# Altium PCB greenhouse_MA_3PCB.PcbDoc
Units mm, origin at the board's own origin, x right, y up, seen from the top; angles counter-clockwise.
Board outline 150 x 100 mm, 2 copper layers (Top Layer, Bottom Layer); 65 components, 51 nets, 205 pads, 151 vias.
Unrouted connection lines stored in the file: 4.
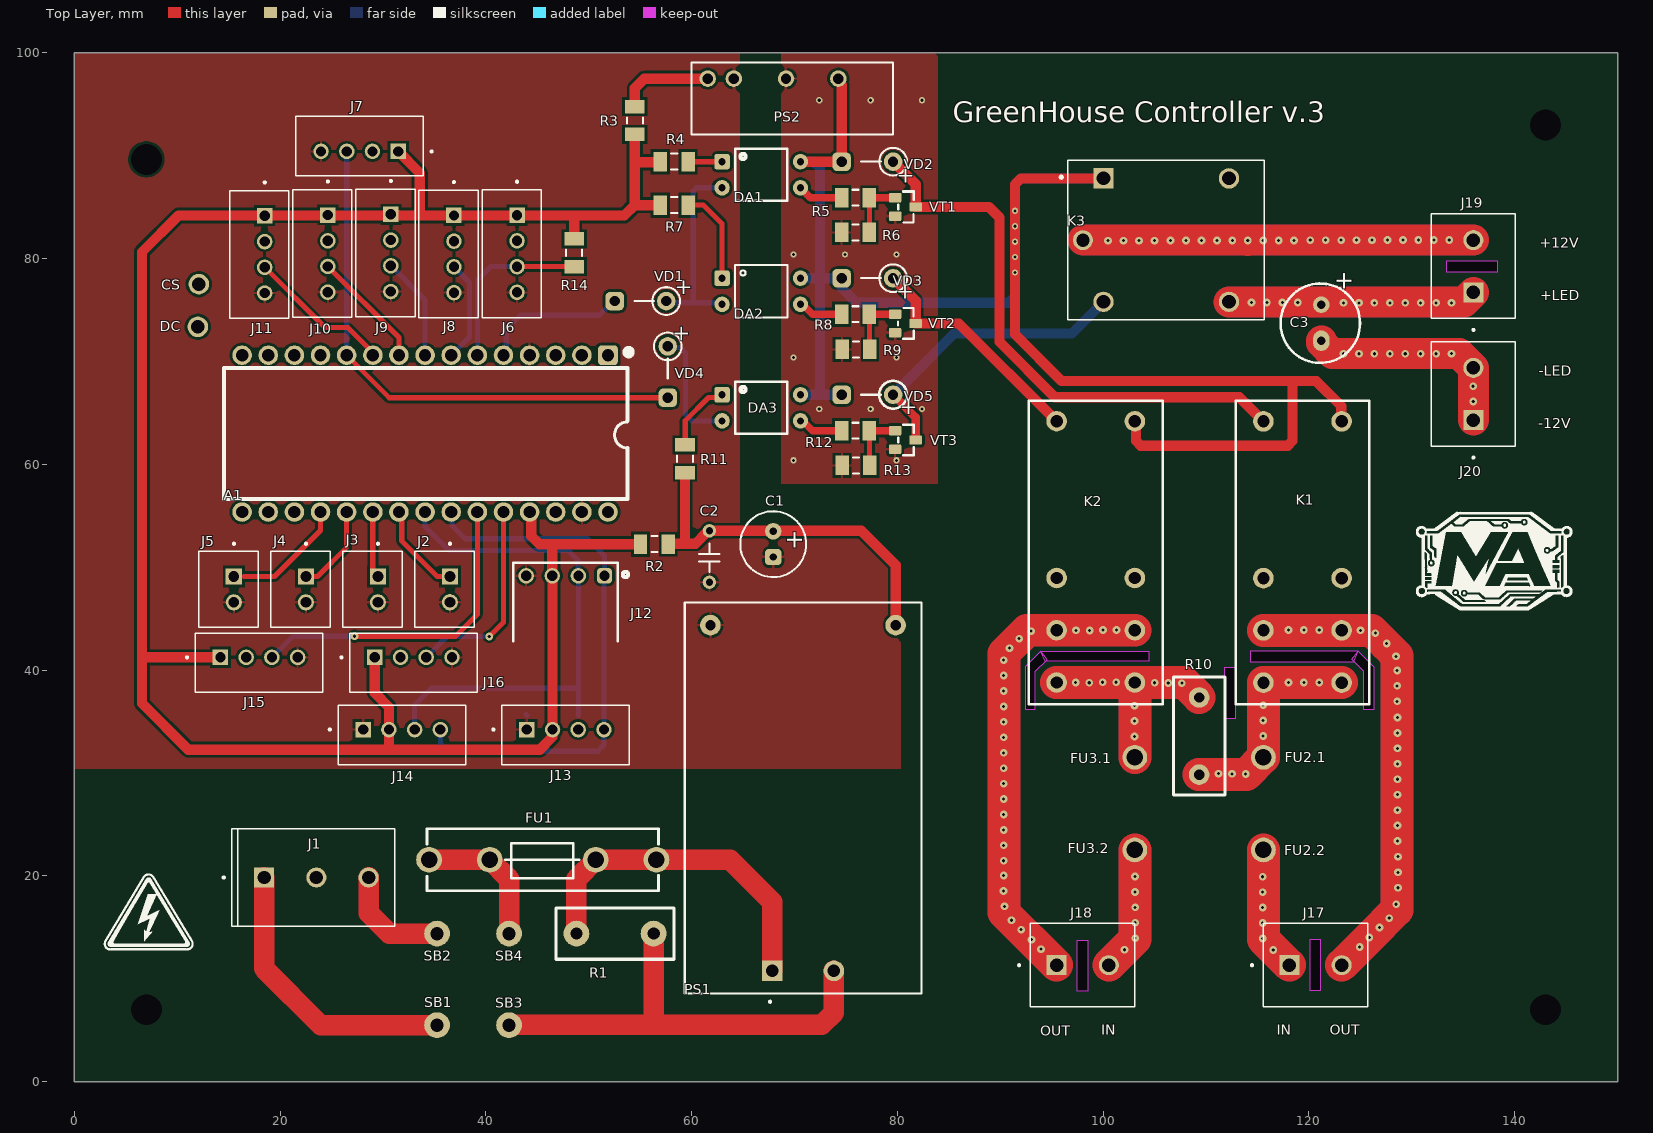
[diagram p0: Top Layer view]
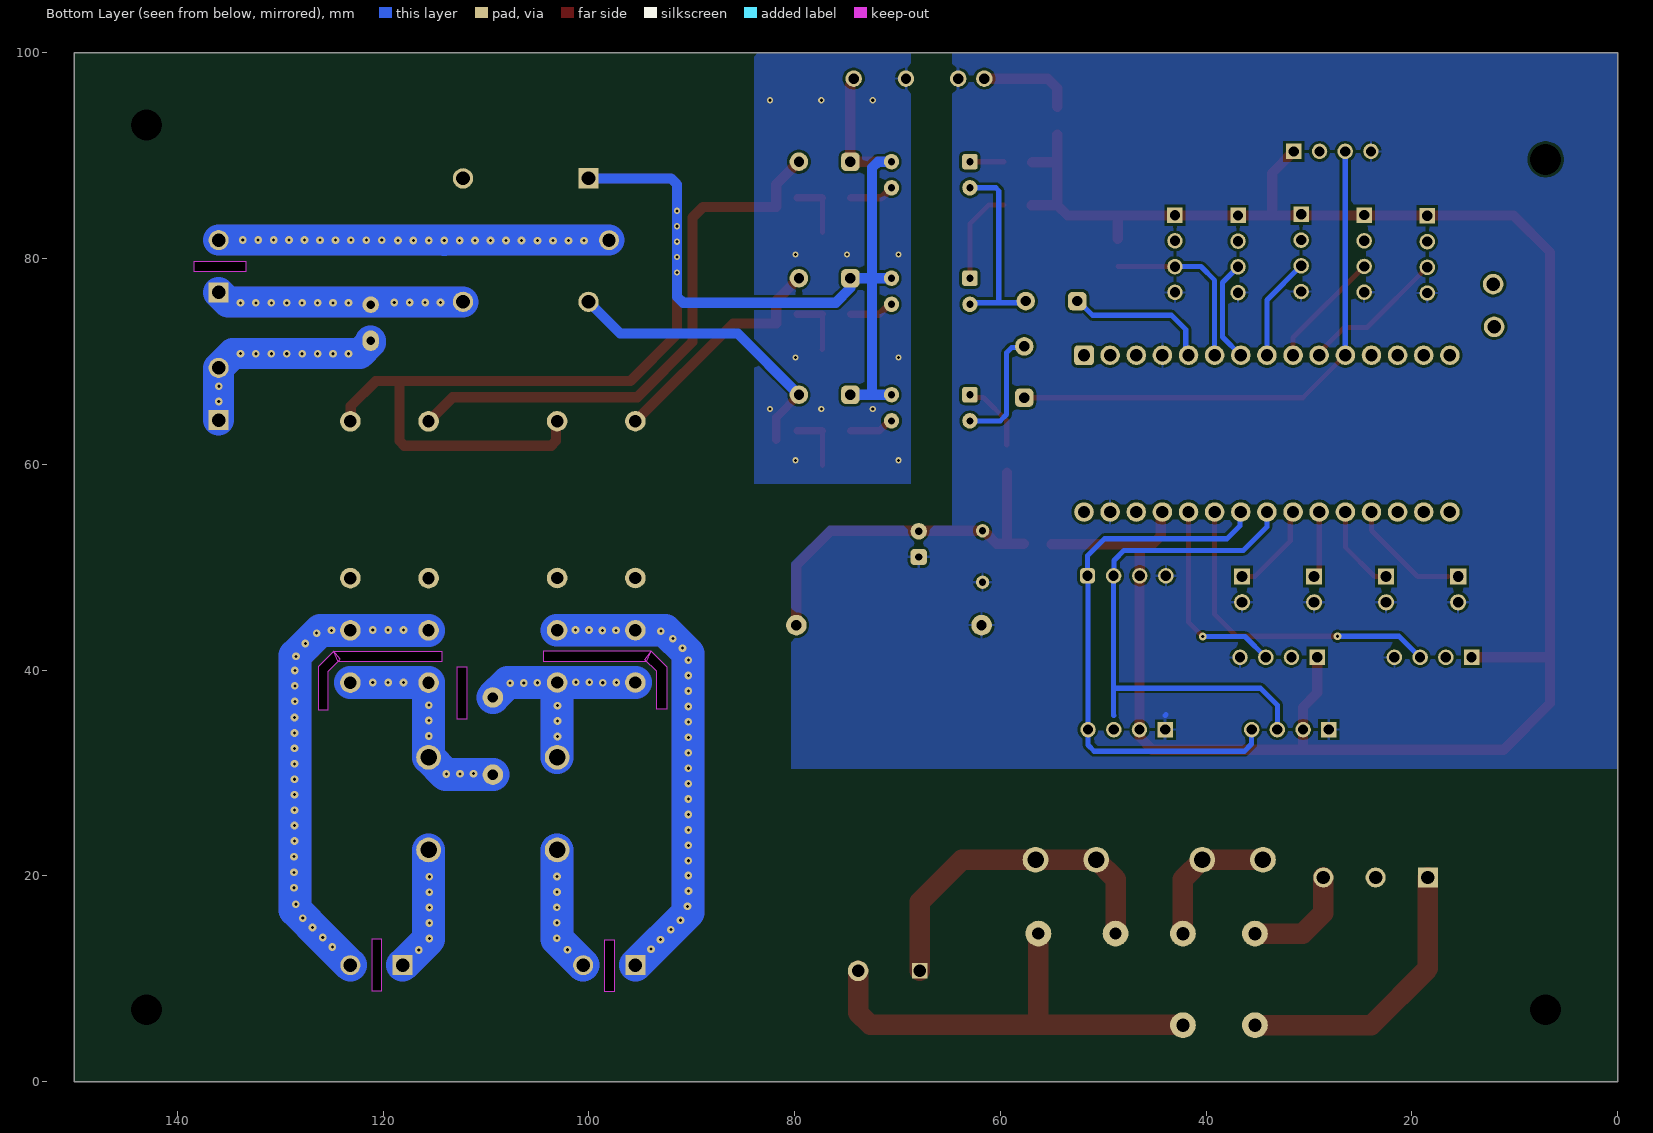
[diagram p1: Bottom Layer view, seen from below]
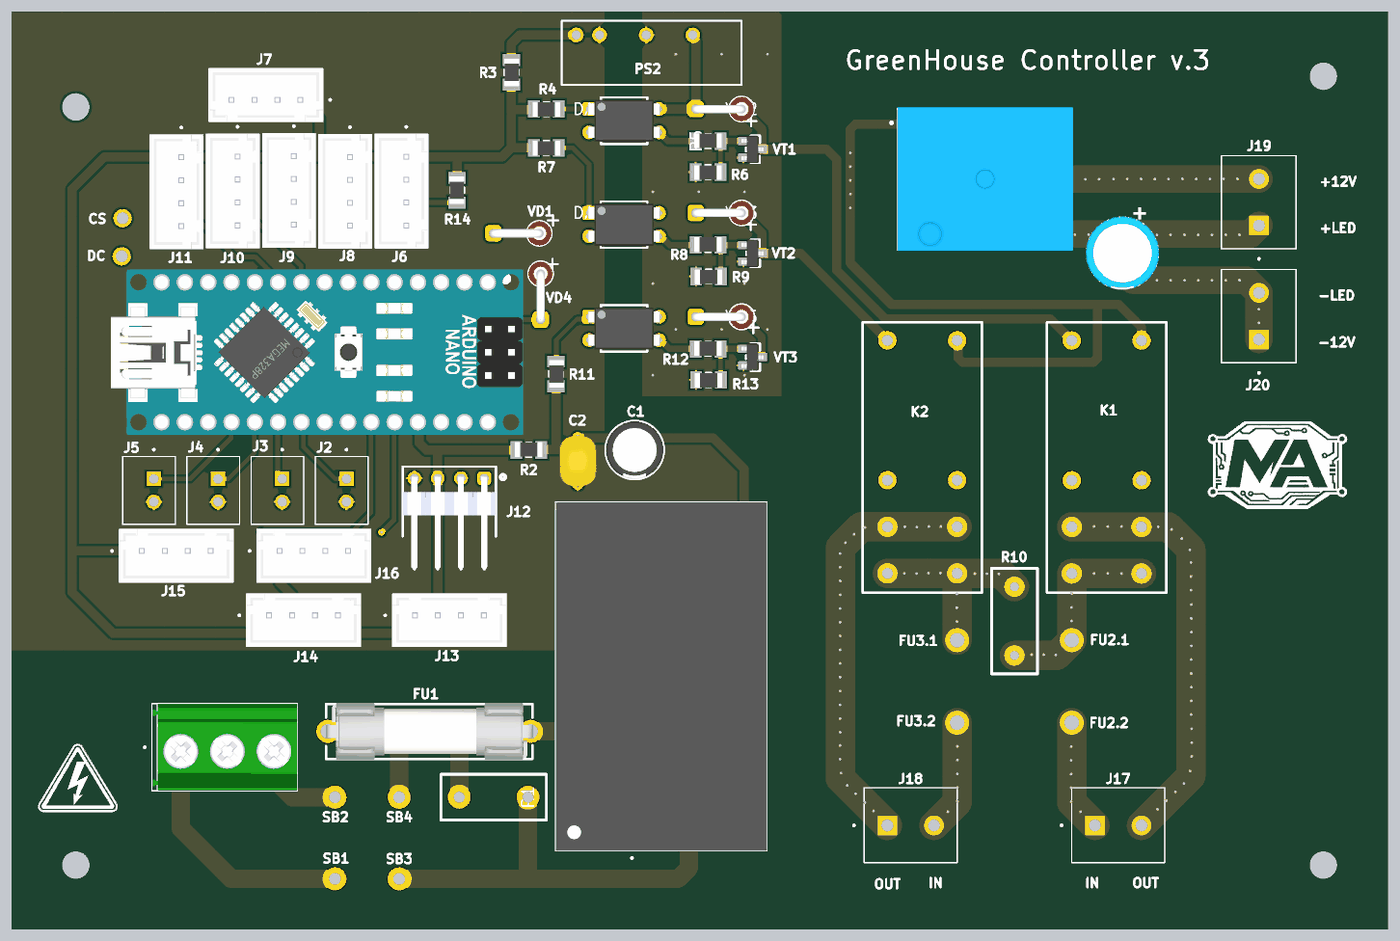
[diagram p2: 3D render of the assembled board from above, using the file's embedded part models]

## Layer stack, top to bottom
Top Solder: solder mask 0.0102, Solder Resist, Dk 3.5
Top Layer: signal copper 0.0356
Dielectric 1: dielectric 0.32, FR-4, Dk 4.8
Bottom Layer: signal copper 0.0356
Bottom Solder: solder mask 0.0102, Solder Resist, Dk 3.5

## Board outline
0,0 0,100 150,100 150,0
cut-out: 93.95,41.85 104.45,41.85 104.45,40.85 94.375,40.85
cut-out: 93.95,41.85 92.906,40.806 92.419,40.319 92.419,36.181 93.419,36.181 93.419,39.894 94.559,41.034
cut-out: 111.825,35.275 111.825,40.275 112.825,40.275 112.825,35.275
cut-out: 98.5,13.775 98.5,8.775 97.5,8.775 97.5,13.775
cut-out: 124.781,41.844 114.281,41.844 114.281,40.844 124.356,40.844
cut-out: 124.781,41.844 125.825,40.8 126.312,40.313 126.312,36.175 125.313,36.175 125.313,39.888 124.15,41.05
cut-out: 121.1,13.825 121.1,8.85 120.1,8.85 120.1,13.825
cut-out: 133.35,79.75 133.35,78.75 138.35,78.75 138.35,79.75

## Design rules (kind name [scope] priority, off if disabled: settings)
Clearance [All] p1: gap=0.254 ignorepadtopadclearanceinfootprint=FALSE
HoleSize [All] p1: absolutevalues=TRUE maxlimit=4 minlimit=0.025 maxpercent=80.000 minpercent=20.000
PolygonConnect GND_ISO [InNet('GND_ISO')] p1: thpad.connectstyle=Relief thpad.reliefconductorwidth=0.254 thpad.reliefentries=4 thpad.polygonreliefangle="90 Angle" thpad.airgapwidth=0.254 smdpad.connectstyle=Relief smdpad.reliefconductorwidth=0.254 smdpad.reliefentries=4 smdpad.polygonreliefangle="90 Angle" smdpad.airgapwidth=0.254 via.connectstyle=Direct via.reliefconductorwidth=0.254 via.reliefentries=4 via.polygonreliefangle="90 Angle" via.airgapwidth=0.254
PolygonConnect GND [InNet('GND')] p2: thpad.connectstyle=Relief thpad.reliefconductorwidth=0.254 thpad.reliefentries=4 thpad.polygonreliefangle="90 Angle" thpad.airgapwidth=0.254 smdpad.connectstyle=Relief smdpad.reliefconductorwidth=0.254 smdpad.reliefentries=4 smdpad.polygonreliefangle="90 Angle" smdpad.airgapwidth=0.254 via.connectstyle=Direct via.reliefconductorwidth=0.254 via.reliefentries=4 via.polygonreliefangle="90 Angle" via.airgapwidth=0.254
RoutingVias [All] p1: holewidth=0.711 width=1.27 viastyle="Through Hole" minholewidth=0.711 minwidth=1.27 maxholewidth=0.711 maxwidth=1.27
SolderMaskExpansion [All] p1: expansion=0.102 istentingtop=FALSE
SupplyNets "Schematic Supply Nets" [InNet('GND')] p1: voltage=0.000
Width [All] p1: maxlimit=10 minlimit=0.5 preferedwidth=0.5
29 further rules are at their usual default settings.

## Components (designator, comment, footprint, x,y, rotation, side; value= is the part's Value field where it differs from the comment)
A1 "Arduino Nano" "Arduino nano" 51.867,70.612 r270 top
C1 "100uF 25V Electrolytic Capacitor THT Radial" "capr- 2.5D6.5H12" 67.925,51 r270 top
C2 "100nF 50V X7R THT 5mm" "C__s 5-d 5.5-t4" 61.725,53.55 r270 top
C3 "680uF 25V Electrolytic Capacitor THT Radial" "capr- 3.5D8H20" 121.2,72.025 r270 top
CS "Отпайка" "Отпайка 1.2"#1 12.1,77.525 r90 top
DA1 "Optocoupler EL817 DIP-4" DIP-4 62.955,89.425 r0 top
DA2 "Optocoupler EL817 DIP-4" DIP-4 62.955,78.1 r0 top
DA3 "Optocoupler EL817 DIP-4" DIP-4 62.955,66.775 r0 top
DC "Отпайка" "Отпайка 1.2"#1 12,73.375 r90 top
FU1 "1A slow 5x20 mm" FU_FC-001-N(DH) 34.475,21.575 r0 top
FU2.1 "Отпайка" "Отпайка 1.5" 115.575,31.525 r90 top
FU2.2 "Отпайка" "Отпайка 1.5" 115.575,22.525 r90 top
FU3.1 "Отпайка" "Отпайка 1.5" 103.075,31.525 r90 top
FU3.2 "Отпайка" "Отпайка 1.5" 103.075,22.525 r90 top
J1 "MKDSN2,5/3-5.08" PHOENIX_MKDSN2,5/3-5.08 23.52,19.85 r0 top
J2 "B2B-XH-A" JST_B2B-XH-A 35.975,47.852 r90 top
J3 "B2B-XH-A" JST_B2B-XH-A 28.975,47.85 r90 top
J4 "B2B-XH-A" JST_B2B-XH-A 21.975,47.85 r90 top
J5 "B2B-XH-A" JST_B2B-XH-A 14.975,47.85 r90 top
J6 "JST B4B-XH-A Connector 1x4 2.5mm THT Vertical" JST_B4B-XH-A 42.502,80.477 r90 top
J7 "JST B4B-XH-A Connector 1x4 2.5mm THT Vertical" JST_B4B-XH-A 27.725,90.95 r0 top
J8 "JST B4B-XH-A Connector 1x4 2.5mm THT Vertical" JST_B4B-XH-A 36.371,80.449 r90 top
J9 "JST B4B-XH-A Connector 1x4 2.5mm THT Vertical" JST_B4B-XH-A 30.24,80.554 r90 top
J10 "JST B4B-XH-A Connector 1x4 2.5mm THT Vertical" JST_B4B-XH-A 24.109,80.49 r90 top
J11 "JST B4B-XH-A Connector 1x4 2.5mm THT Vertical" JST_B4B-XH-A 17.978,80.41 r90 top
J12 "Pin Header 1x4 2.54mm Right Angle THT Male" "KLS1-207-1*04 R" 51.53,49.175 r180 top
J13 "JST B4B-XH-A Connector 1x4 2.5mm THT Vertical" JST_B4B-XH-A 47.725,33.7 r180 top
J14 "JST B4B-XH-A Connector 1x4 2.5mm THT Vertical" JST_B4B-XH-A 31.825,33.7 r180 top
J15 "B4B-XH-A" JST_B4B-XH-A 17.95,40.725 r180 top
J16 "B4B-XH-A" JST_B4B-XH-A 32.95,40.725 r180 top
J17 "Phoenix Contact MKDSN 2,5/2-5.08 Terminal Block 1x2 5.08mm THT" PHOENIX_1729128 115.555,7.275 r0 top
J18 "Phoenix Contact MKDSN 2,5/2-5.08 Terminal Block 1x2 5.08mm THT" PHOENIX_1729128 92.93,7.275 r0 top
J19 "Phoenix Contact MKDSN 2,5/2-5.08 Terminal Block 1x2 5.08mm THT" PHOENIX_1729128 140.029,74.184 r90 top
J20 "Phoenix Contact MKDSN 2,5/2-5.08 Terminal Block 1x2 5.08mm THT" PHOENIX_1729128 140.033,61.766 r90 top
K1 "Relay SMIH-05VDC-SL-C 5V 16A THT" SMIH-5VDC-SL-C 119.375,51.49 r270 top
K2 "Relay SMIH-05VDC-SL-C 5V 16A THT" SMIH-5VDC-SL-C 99.275,51.5 r270 top
K3 "Relay SRD-05VDC-SL-C 5V 10A THT" RELAY_SRD-05VDC-SL-C 106.125,81.8 r0 top
PS1 "HLK-5M05" CONV_HLK-5M05 70.825,27.575 r90 top
PS2 "B0505S-3WR2" B0505S-2W 61.555,97.5 r0 top
R1 "10K471" "var 10D (Т-5мм)"#1 56.3,14.4 r270 top
R2 "0R 1% 1206" "Res_1206 3D" 55.075,52.25 r90 top
R3 "0R 1% 1206" "Res_1206 3D" 54.475,94.725 r0 top
R4 "330R 1% 1206" "Res_1206 3D" 59.6,89.425 r270 top
R5 "150R 1% 1206" "Res_1206 3D" 74.625,85.925 r90 top
R6 "47k 1% 1206" "Res_1206 3D" 77.225,82.55 r270 top
R7 "330R 1% 1206" "Res_1206 3D" 59.6,85.2 r270 top
R8 "150R 1% 1206" "Res_1206 3D" 74.625,74.6 r90 top
R9 "47k 1% 1206" "Res_1206 3D" 77.275,71.175 r270 top
R10 "10K471" "var 10D (Т-5мм)"#2 109.325,37.35 r0 top
R11 "330R 1% 1206" "Res_1206 3D" 59.35,61.85 r0 top
R12 "150R 1% 1206" "Res_1206 3D" 74.625,63.275 r90 top
R13 "47k 1% 1206" "Res_1206 3D" 77.275,59.9 r270 top
R14 "3.3K 1% 1206" "Res_1206 3D" 48.575,79.275 r180 top
SB1 "Отпайка" "Отпайка 1.2"#2 35.25,5.5 r0 top
SB2 "Отпайка" "Отпайка 1.2"#2 35.25,14.4 r90 top
SB3 "Отпайка" "Отпайка 1.2"#2 42.25,5.5 r90 top
SB4 "Отпайка" "Отпайка 1.2"#2 42.25,14.4 r90 top
VD1 "1N4007 1A 1000V Rectifier Diode DO-41" "DO-41  (5.0)" 57.525,75.875 r180 top
VD2 "UF4007 1A 1000V Fast Diode DO-41" "DO-41  (5.0)" 79.575,89.425 r180 top
VD3 "UF4007 1A 1000V Fast Diode DO-41" "DO-41  (5.0)" 79.575,78.1 r180 top
VD4 "1N4007 1A 1000V Rectifier Diode DO-41" "DO-41  (5.0)" 57.675,71.475 r270 top
VD5 "UF4007 1A 1000V Fast Diode DO-41" "DO-41  (5.0)" 79.575,66.775 r180 top
VT1 "IRLML6344" SOT-23-3 79.775,85.925 r270 top
VT2 "IRLML6344" SOT-23-3 79.775,74.6 r270 top
VT3 "IRLML6344" SOT-23-3 79.775,63.275 r270 top

## Footprints (in the part's own frame and the unit in brackets; to place one, negate y for a bottom-side part, rotate by r counter-clockwise, add the part's x,y. Pads: shape width x height; smd on the part's side, far side on the other; paste and mask are expansions set on the pad)
"Arduino nano" [mm]
  rrect30% 1.9x1.9 hole 1.2: 1(0,0)
  round 1.9 hole 1.2: 2(0,-2.54) 3(0,-5.08) 4(0,-7.62) 5(0,-10.16) 6(0,-12.7) 7(0,-15.24) 8(0,-17.78) 9(0,-20.32) 10(0,-22.86) 11(0,-25.4) 12(0,-27.94) 13(0,-30.48) 14(0,-33.02) 15(0,-35.56) 16(15.24,-35.56) 17(15.24,-33.02) 18(15.24,-30.48) 19(15.24,-27.94) 20(15.24,-25.4) 21(15.24,-22.86) 22(15.24,-20.32) 23(15.24,-17.78) 24(15.24,-15.24) 25(15.24,-12.7) 26(15.24,-10.16) 27(15.24,-7.62) 28(15.24,-5.08) 29(15.24,-2.54) 30(15.24,0)
  silkscreen extent -0.6,-37.34 13.97,2.3, body extent -1.3,-41.07 16.7,3.87, height 12.5
B0505S-2W [mm] "Изолированный DC-DC преобразователь, вход 5В, выход 5В / 400мА / 2Вт"
  round 1.6 hole 1: 1(0,0) 2(2.54,0) 4(7.62,0) 6(12.7,0)
  silkscreen extent -1.58,-5.45 18.02,1.55
"C__s 5-d 5.5-t4" [mm] "Конденсатор керамический дисковый"
  round 1.3 hole 0.7 mask+0.1: 1(0,0) 2(5,0)
  silkscreen extent 1.25,-1 4,1, body extent -0.25,-2 5.25,2, height 8.45
"capr- 2.5D6.5H12" [mm] "Конденсатор электролитический алюминиевый"
  rrect50% 1.6x1.6 hole 0.7: 1(0,0)
  round 1.6 hole 0.7: 2(-2.5,0)
  silkscreen extent -4.45,-3.2 1.95,3.2, body extent -4.4,-3.15 1.9,3.15, height 11.5
"capr- 3.5D8H20" [mm] "Конденсатор электролитический алюминиевый"
  oval 2x1.6 hole 0.8: 1(0,0)
  round 1.6 hole 0.8: 2(-3.5,0)
  silkscreen extent -5.56,-3.96 2.16,3.76, body extent -5.7,-4.1 2.32,3.9, height 20.5
CONV_HLK-5M05 [mm]
  rect 2x2 / inner round 2 / far side rect 1.5x1.5 hole 1.2: 1(-16.8,3)
  round 2 hole 1.2: 2(-16.8,-3)
  round 2 hole 1: 3(16.8,9) 4(16.8,-9)
  silkscreen extent -19.9,-11.5 19,11.5, body extent -19,-11.5 19,11.5, height 23
DIP-4 [mm]
  rrect30% 1.5x1.5 hole 0.7: 1(0,0)
  round 1.5 hole 0.7: 2(0,-2.54) 3(7.62,-2.54) 4(7.62,0)
  silkscreen extent 1.27,-3.81 6.35,1.27, body extent -0.13,-3.57 7.75,1.03, height 4
"DO-41  (5.0)" [mm]
  rrect50% 1.8x1.8 hole 1: 1(5,0)
  round 1.8 hole 1: 2(0,0)
  silkscreen extent -1.35,-1.35 3.1,1.35, body extent -1.35,-1.35 5.45,1.35, height 8.2
FU_FC-001-N(DH) [mm]
  round 2.5 hole 1.6: 1(0,0) 1(5.9,0) 2(16.2,0) 2(22.1,0)
  silkscreen extent -0.2,-3 22.3,3, body extent -0.15,-3.1 22.35,3.1, height 10.1
JST_B2B-XH-A [mm]
  rect 1.575x1.575 / inner round 1.575 / far side rect 1.575x1.575 hole 1.05: 1(1.25,-0.525)
  round 1.575 hole 1.05: 2(-1.25,-0.525)
  silkscreen extent -3.7,-2.88 4.54,2.88
JST_B4B-XH-A [mm]
  rect 1.508x1.508 / inner round 1.508 / far side rect 1.508x1.508 hole 1: 1(3.75,-0.525)
  round 1.508 hole 1: 2(1.25,-0.525) 3(-1.25,-0.525) 4(-3.75,-0.525)
  silkscreen extent -6.2,-2.88 7.1,2.88, body extent -6.2,-2.88 6.2,2.88, height 7
"KLS1-207-1*04 R" [mm]
  rrect50% 1.5x1.5 hole 1: 1(0,0)
  round 1.5 hole 1: 2(2.54,0) 3(5.08,0) 4(7.62,0)
  silkscreen extent -2.29,-1.27 8.89,6.35, body extent -1.27,-0.32 8.89,10.04, height 2.5
PHOENIX_1729128 [mm]
  rect 1.95x1.95 / inner round 1.95 / far side rect 1.95x1.95 hole 1.3: 1(2.54,4.05)
  round 1.95 hole 1.3: 2(7.62,4.05)
  silkscreen extent -1.2,0 10.16,8.15
PHOENIX_MKDSN2,5/3-5.08 [mm]
  rect 1.95x1.95 / inner round 1.95 / far side rect 1.95x1.95 hole 1.3: 1(-5.08,0)
  round 1.95 hole 1.3: 2(0,0) 3(5.08,0)
  silkscreen extent -9.1,-4.75 7.62,4.75, body extent -8.19,-4.75 7.62,4.75, height 15.15
RELAY_SRD-05VDC-SL-C [mm]
  rect 1.98x1.98 / inner round 1.98 / far side rect 1.98x1.98 hole 1.32: A1(-6.1,6)
  round 1.98 hole 1.32: A2(-6.1,-6) NC(6.1,6) NO(6.1,-6)
  round 1.935 hole 1.29: COM(-8.1,0)
  silkscreen extent -10.3,-7.75 9.55,7.75, body extent -9.6,-7.8 9.6,7.8, height 15.8
"Res_1206 3D" [mm] "Резистор ЧИП (SMD)"
  rect 1.9x1.3 smd: 1(0,0.05) 2(0,-2.65)
  silkscreen extent -0.77,-1.6 0.78,-1, body extent -0.75,-2.8 0.85,0.2, height 0.63
SMIH-5VDC-SL-C [mm]
  round 2 hole 1.2: 1(-12.7,-3.8) 2(2.54,-3.8) 3(7.62,-3.8) 4(12.7,-3.8) 5(12.7,3.8) 6(7.62,3.8) 7(2.54,3.8) 8(-12.7,3.8)
  silkscreen extent -14.7,-6.5 14.8,6.5
SOT-23-3 [mm] "TO-236AB    SuperSOT-3   SOT-346   KT-46   SC-59   SMT3"
  rrect20% 0.9x1.2 smd: 1(0,0) 2(0.9,2) 3(1.8,0)
  silkscreen extent -0.6,0.3 2.4,1.8, body extent -0.6,-0.2 2.4,2.2, height 1
"var 10D (Т-5мм)"#1 [mm] "Варистор дисковый"
  round 2.5 hole 1.2: 1(0,0) 2(0,-7.5)
  silkscreen extent -2.5,-9.5 2.5,2, body extent -2.5,-9.75 2.5,2.25, height 17.5
"var 10D (Т-5мм)"#2 [mm] "Варистор дисковый"
  round 2 hole 1: 1(0,0) 2(0,-7.5)
  silkscreen extent -2.5,-9.5 2.5,2, body extent -2.5,-9.75 2.5,2.25, height 17.5
"Отпайка 1.2"#1 [mm] "D=1.2mm"
  round 2 hole 1.3: 1(0,0)
"Отпайка 1.2"#2 [mm] "D=1.2mm"
  round 2.5 hole 1.3: 1(0,0)
"Отпайка 1.5" [mm] "D=1.5mm"
  round 2.4 hole 1.6: 1(0,0)

## Part data
C1 C3: library part "C Al R", "Конденсатор алюминиевый радиальный"
C2: library part C_Disk, "Конденсатор керамика"
CS DC FU2.1 FU2.2 FU3.1 FU3.2 SB1 SB2 SB3 SB4: "Отпайка для проводника"
DA1 DA2 DA3: library part EL817, "Оптрон выход - транзистор"
FU1: library part "FU + Clip", "Предохранитель плавкий с держателем."
J1: "HEADER, PCB, SCREW, 5.08MM, 3WAY; Connector Type: PCB; Series: MKDSN 2, 5; Connector Mounting: PCB; Pitch Spacing: 5....", Package=None, Availability="Not in stock", Check_prices=https://www.snapeda.com/parts/MKDSN2,5/3-5.08/Phoenix+Contact/view-part/?ref=eda, MF="Phoenix Contact", MP=MKDSN2,5/3-5.08, Price=None, SnapEDA_Link=https://www.snapeda.com/parts/MKDSN2,5/3-5.08/Phoenix+Contact/view-part/?ref=snap
J2 J3 J4 J5: Package=None, Availability=Unavailable, MF="{'manufacturer': u'JST Sales America Inc.'}", MP=B2B-XH-A, Price=None
J6 J7 J8 J9 J10 J11 J13 J14: library part B4B-XH-A, "Connector Header Through Hole 4 position 0.098 (2.50mm)", Package=None, Check_prices=https://www.snapeda.com/parts/B4B-XH-A/JST/view-part/?ref=eda, MF="JST Sales", MP=B4B-XH-A, SnapEDA_Link=https://www.snapeda.com/parts/B4B-XH-A/JST/view-part/?ref=snap
J12: library part "Штырь 1* 4  (1)", "Разъём штыревой на плату 2.54мм 1х4 pin"
J15 J16: "Connector Header Through Hole 4 position 0.098 (2.50mm)", Package=None, Check_prices=https://www.snapeda.com/parts/B4B-XH-A/JST/view-part/?ref=eda, MF="JST Sales", MP=B4B-XH-A, SnapEDA_Link=https://www.snapeda.com/parts/B4B-XH-A/JST/view-part/?ref=snap
J17 J18 J19 J20: library part 1729128, "PCB Terminal Screw 5.08mm 16AWG 400V 13.5A 2 Position COMBICON MKDSN Series", Package=None, Check_prices=https://www.snapeda.com/parts/1729128/Phoenix+Contact/view-part/?ref=eda, MF="Phoenix Contact", MP=1729128, SnapEDA_Link=https://www.snapeda.com/parts/1729128/Phoenix+Contact/view-part/?ref=snap
K1 K2: library part SMIH-05VDC-SL-C, JLCPCB Part Class="Extended Part", Manufacturer=松乐, Add into BOM=yes, Convert to PCB=yes, Datasheet=https://item.szlcsc.com/datasheet/SMIH-05VDC-SL-C/18835689.html, Device=SMIH-05VDC-SL-C, LCSC Part Name=SMIH-05VDC-SL-C, Manufacturer Part=SMIH-05VDC-SL-C, Supplier=LCSC, Supplier Footprint=插件,29.5x13mm, Supplier Part=C17701758, Symbol=SMIH-05VDC-SL-C
K3: library part SRD-05VDC-SL-C, "5V Trigger Relay Module For Arduino And Raspberry Pi 5V Trigger Relay Module For Arduino And Raspberry Pi", Package="NON STANDARD-5 Songle Relay", Availability="Not in stock", Check_prices=https://www.snapeda.com/parts/SRD-05VDC-SL-C/Songle+Relay/view-part/?ref=eda, MF="Songle Relay", MP=SRD-05VDC-SL-C, Price=None, SnapEDA_Link=https://www.snapeda.com/parts/SRD-05VDC-SL-C/Songle+Relay/view-part/?ref=snap
PS1: "AC DC 220V to 5V 5W 5Watt Isolated Switching Step-Down Power Supply Module Converter", Package=Package, Availability="Not in stock", Check_prices=https://www.snapeda.com/parts/HLK-5M05/Hi-link/view-part/?ref=eda, MF=Hi-link, MP=HLK-5M05, Price=None, SnapEDA_Link=https://www.snapeda.com/parts/HLK-5M05/Hi-link/view-part/?ref=snap
PS2: library part B0505S-2W, "Изолированный DC-DC преобразователь, вход 5В, выход 5В 3Вт"
R1 R10: library part RU_1, "Варистор"
R2 R3 R4 R5 R6 R7 R8 R9 R11 R12 R13 R14: library part R, "Резисторы плёночные (SMD; МЛТ; С2-33Н; MP9xxx)"
VD1 VD2 VD3 VD4 VD5: library part "Диод.  x1  (2)", "Диод  одиночный"
VT1 VT2 VT3: library part "VT MOSFET-N", "Транзистор MOSFET N-канал"

## Free pads (board coordinates)
  round 0 hole 3 unplated: 2(7,7) 3(7,89.65) 3(143,7) 3(143,93)

## Via types
v1: diameter 0.75, hole 0.3, Top Layer to Bottom Layer, tented both sides, 131 vias
v2: diameter 0.6, hole 0.3, Top Layer to Bottom Layer, tented both sides, 18 vias
v3: diameter 0.75, hole 0.3, Top Layer to Bottom Layer, 2 vias

## Nets (pads, with @x,y where several pads share a name; then routed paths per layer and width w, separated by ;. In a path a pad name is that pad's centre, name@x,y a point inside that pad or via, vN(x,y) a via of type N, cw(c..) or ccw(c..) an arc to the next point about the centre after c; other vN are vias at no path point)
A6: A1.25 J15.3 | length 31.6
  Top Layer w0.5: v3(27.225,43.3) 37.05,43.3 39.167,45.417 A1.25@39.167,55.368
  Bottom Layer w0.5: J15.3 21.25,43.3 v3(27.225,43.3)
A7: A1.26 J16.3 | length 19.6
  Top Layer w0.5: v3(40.325,43.275) 41.707,44.657 A1.26
  Bottom Layer w0.5: J16.3 36.225,43.275 v3(40.325,43.275)
button1: A1.22 J2.1 | length 9
  Top Layer w0.5: A1.22 31.814,55.104 31.814,52.561 35.273,49.102 J2.1
button2: A1.21 J3.1 | length 6.5
  Top Layer w0.5: A1.21 29.007,49.593 J3.1
button3: A1.20 J4.1 | length 8.6
  Top Layer w0.5: J4.1 23.625,49.1 26.467,51.942 A1.20
button4: A1.19 J5.1 | length 11.1
  Top Layer w0.5: 16.5,49.1 19.45,49.1 23.927,53.577 A1.19
D4: A1.7 J8.3 | length 9.9
  Bottom Layer w0.5: A1.7 38.4,72.386 38.4,77.695 J8.3
D5: A1.8 J9.3 | length 10.1
  Bottom Layer w0.5: J9.3 34.087,75.982 A1.8
D6: A1.9 J10.3 | length 11.5
  Top Layer w0.5: J10.3 31.547,72.327 A1.9
D7: A1.10 J11.3 | length 14.2
  Top Layer w0.5: J11.3 24.362,73.3 26.575,73.3 29.007,70.868 A1.10
D9: A1.12 DC.1
D10: A1.13 CS.1
GND: A1.4 A1.29 C1.1 C2.2 J2.2 J3.2 J4.2 J5.2 J6.4 J7.4 J8.4 J9.4 J10.4 J11.4 J12.4 J13.1 J14.1 J15.4 J16.4 PS1.3 PS2.2 | length 0.1
  Bottom Layer w0.5: 43.894,35.681 43.975,35.6
GND_ISO: PS2.4 R6.2 R9.2 R13.2 VT1.3 VT2.3 VT3.3
  other v2: 69.9,60.4 79.9,60.4 72.4,65.4 77.4,65.4 82.4,65.4 69.9,70.4 79.9,70.4 69.9,80.4 74.9,80.4 79.9,80.4 72.4,95.4 77.4,95.4 82.4,95.4
NetC1_2: 
NetC3_1: C3.1 J20.1 J20.2 | length 42.1
  Top Layer w3: C3.1 121.2,71.825 122.258,70.767 124.858,70.767 126.358,70.767 127.858,70.767 129.358,70.767 130.858,70.767 132.358,70.767 v1(133.851,70.767) 134.603,70.767 J20.2 135.983,66.108 J20.1
  Bottom Layer w3: C3.1 121.2,71.825 122.258,70.767 124.858,70.767 126.358,70.767 127.858,70.767 129.358,70.767 130.858,70.767 132.358,70.767 v1(133.851,70.767) 134.603,70.767 J20.2 135.983,66.108 J20.1
  other v1: 135.966,66.108 135.958,67.601 123.358,70.759 124.858,70.759 126.358,70.759 127.858,70.759 129.358,70.759 130.858,70.759 132.358,70.759
NetC3_2: C3.2 J19.1 K3.NO | length 48.3
  Top Layer w3: K3.NO 114.408,75.8 115.908,75.8 117.408,75.8 118.908,75.8 121.175,75.8 121.25,75.8 123.358,75.8 124.858,75.8 126.358,75.8 127.858,75.8 129.358,75.8 130.858,75.8 132.358,75.8 135.056,75.8 J19.1@135.983,76.727
  Bottom Layer w3: K3.NO 114.408,75.8 115.908,75.8 117.408,75.8 118.908,75.8 121.175,75.8 121.25,75.8 123.358,75.8 124.858,75.8 126.358,75.8 127.858,75.8 129.358,75.8 130.858,75.8 132.358,75.8 135.056,75.8 J19.1@135.983,76.727
  other v1: 123.358,75.709 124.858,75.709 126.358,75.709 127.858,75.709 129.358,75.709 130.858,75.709 132.358,75.709 133.849,75.71 114.408,75.734 115.908,75.734 117.408,75.734 118.908,75.734
NetDA1_1: DA1.1 R4.1 | length 3.3
  Top Layer w0.5: R4.1 DA1.1
NetDA1_2: DA1.2 DA2.2 VD1.2 | length 19.4
  Bottom Layer w0.5: VD1.2 57.683,75.718 60.15,75.718 ; DA2.2 62.798,75.718 60.15,75.718 ; DA1.2 60.443,86.885 60.15,86.592 60.15,75.718
NetDA1_3: DA1.3 R5.1 | length 4.4
  Top Layer w0.7: DA1.3 71.535,85.925 R5.1
NetDA2_1: DA2.1 R7.1 | length 9.3
  Top Layer w0.5: R7.1 61.15,85.2 62.955,83.395 DA2.1
NetDA2_3: DA2.3 R8.1 | length 4.4
  Top Layer w0.7: DA2.3 70.776,75.56 71.736,74.6 R8.1
NetDA3_1: DA3.1 R11.1 | length 7
  Top Layer w0.5: R11.1@59.375,61.9 59.375,64.25 61.638,66.513 62.693,66.513 DA3.1
NetDA3_2: DA3.2 VD4.2 | length 11.8
  Bottom Layer w0.5: VD4.2 57.792,71.358 58.892,71.358 59.4,70.85 59.4,64.845 60.01,64.235 DA3.2
NetDA3_3: DA3.3 R12.1 | length 4.4
  Top Layer w0.7: DA3.3 70.776,64.235 71.736,63.275 R12.1
NetFU1_1: FU1.1 SB4.1 | length 13.9
  Top Layer w2: FU1.1@34.475,21.575 40.375,21.575 42.25,19.7 SB4.1
NetFU1_2: FU1.2 PS1.1 R1.2 | length 33.5
  Top Layer w2: R1.2 48.8,19.7 50.675,21.575 56.575,21.575 63.725,21.575 67.825,17.475 PS1.1
NetFU2.1_1: FU2.1.1 K1.4 K1.5 R10.2 | length 43.6
  Top Layer w3.2: R10.2 113.9,29.85 FU2.1.1 K1.4 K1.5
  Bottom Layer w3.2: R10.2 113.9,29.85 FU2.1.1 K1.4 K1.5
  other v1: 113.846,29.907 111.204,29.943 112.525,29.925 115.55,33.6 115.55,35.105 115.55,36.605 118,38.8 119.5,38.8 121,38.8
NetFU2.2_1: FU2.2.1 J17.1 | length 24.5
  Top Layer w3.2: FU2.2.1 115.575,13.845 J17.1
  Bottom Layer w3.2: FU2.2.1 115.575,13.845 J17.1
  other v1: 116.525,12.8 115.496,13.927 115.496,15.427 115.496,16.927 115.5,18.425 115.5,19.925
NetFU3.1_1: FU3.1.1 K2.4 K2.5 R10.1 | length 43.4
  Top Layer w3.2: K2.4 v1(97.325,38.8) 99.949,38.8 K2.5@103.063,38.8 ; FU3.1.1 103.075,33.55 103.075,35.055 103.075,36.555 K2.5 107.875,38.8 R10.1
  Bottom Layer w3.2: K2.4 v1(97.325,38.8) K2.5 ; FU3.1.1 K2.5 ; R10.1 107.875,38.8 K2.5
  other v1: 103.05,33.55 103.05,35.055 103.05,36.555 106.321,38.757 107.642,38.74 98.646,38.782 105,38.775 99.949,38.828 101.254,38.832
NetFU3.2_1: FU3.2.1 J18.2 | length 24.5
  Top Layer w3.2: J18.2 103.075,13.85 FU3.2.1
  Bottom Layer w3.2: J18.2 103.075,13.85 FU3.2.1
  other v1: 102.075,12.825 103.104,13.952 103.104,15.452 103.104,16.952 103.1,18.45 103.1,19.95
NetJ1_1: J1.1 SB1.1 | length 27.9
  Top Layer w2: J1.1 18.44,11.01 23.95,5.5 SB1.1
NetJ1_3: J1.3 SB2.1 | length 10.9
  Top Layer w2: J1.3 28.6,16.4 30.6,14.4 SB2.1
NetJ17_2: J17.2 K1.3 K1.6 | length 92.3
  Top Layer w3.2: K1.3 118,43.87 119.5,43.87 121,43.87 K1.6 126.08,43.87 127.45,42.5 128.55,41.4 128.55,39.85 128.55,36.85 128.55,33.9 128.55,32.4 128.55,30.9 128.55,29.4 128.55,27.775 128.55,24.9 128.55,23.275 128.55,20.35 128.55,18.85 128.55,16.7 v1(125.862,14.012) 124.936,13.086 J17.2
  Bottom Layer w3.2: K1.3 118,43.87 119.5,43.87 121,43.87 K1.6 126.08,43.87 v1@128.325,41.625 ; J17.2 124.936,13.086 v1(125.862,14.012) 128.55,16.7 128.55,18.85 128.55,20.35 128.55,23.275 128.55,24.9 128.55,27.775 128.55,29.4 128.55,30.9 128.55,33.775 128.55,35.275 128.55,38.35 v1@128.55,41.425
  other v1: 124.927,13.094 126.865,14.982 127.8,15.9 128.475,17.25 128.65,18.85 128.65,20.35 128.65,21.875 128.6,23.4 128.6,24.9 128.6,26.4 128.6,27.9 128.6,29.4 128.6,30.9 128.6,32.4 128.6,33.9 128.6,35.4 128.575,36.975 128.575,38.475 128.575,39.975 128.45,41.35 127.55,42.6 126.45,43.6 125,43.875 118,43.907 119.5,43.907 121,43.907
NetJ18_1: J18.1 K2.3 K2.6 | length 92.2
  Top Layer w3.2: J18.1 90.35,16.445 90.35,25.975 90.35,31.97 90.35,34.975 90.35,36.475 90.35,41.623 92.607,43.88 K2.3 K2.6
  Bottom Layer w3.2: J18.1 90.35,16.445 90.35,28.975 90.35,31.97 90.35,33.475 90.35,39.475 90.35,41.623 92.607,43.88 K2.3 K2.6
  other v1: 93.962,12.889 93.027,13.807 92.024,14.777 91.089,15.695 90.414,17.045 90.314,18.545 90.325,20.035 90.325,21.475 90.325,22.975 90.325,24.475 90.325,25.975 90.325,27.475 90.325,28.975 90.325,30.47 90.325,31.97 90.325,33.475 90.325,34.975 90.325,36.475 90.325,37.975 90.325,39.475 90.325,40.975 90.9,42.145 91.835,43.063 93,43.795 98.687,43.855 97.366,43.873 99.99,43.9 101.295,43.904
NetJ19_2: J19.2 K3.COM | length 78.9
  Top Layer w3: K3.COM 98.029,81.804 100.475,81.804 101.975,81.804 103.475,81.804 104.975,81.804 106.55,81.804 108.05,81.804 109.55,81.804 v1@114.05,81.804 ; v1(114.05,81.775) 114.079,81.804 v1@117.05,81.804 ; v1@115.55,81.804 v1@117.05,81.804 ; J19.2@135.983,81.807 J19.2 127.625,81.804 126.125,81.804 124.625,81.804 123.125,81.804 121.625,81.804 v1@117.05,81.804
  Bottom Layer w0.5: K3.COM K3.COM@98.029,81.804 ; J19.2 J19.2@135.983,81.807
  Bottom Layer w3: K3.COM@98.029,81.804 100.475,81.804 101.975,81.804 103.475,81.804 104.975,81.804 106.55,81.804 108.05,81.804 109.55,81.804 v1@114.05,81.804 ; v1(114.05,81.775) 114.079,81.804 v1@117.05,81.804 ; v1@115.55,81.804 v1@117.05,81.804 ; J19.2 127.625,81.804 126.125,81.804 124.625,81.804 123.125,81.804 121.625,81.804 v1@117.05,81.804
  other v1: 100.475,81.75 101.975,81.75 103.475,81.75 104.975,81.75 106.55,81.775 108.05,81.775 109.55,81.775 111.05,81.775 112.55,81.775 115.55,81.775 117.05,81.775 118.55,81.775 120.125,81.8 121.625,81.8 123.125,81.8 124.625,81.8 126.125,81.8 127.633,81.809 129.133,81.809 130.633,81.809 132.133,81.809 133.633,81.809
NetK1_1: K1.1 VD2.2 VT1.2 | length 54.8
  Top Layer w1: VD2.2 81.775,87.225 VT1.2 88.875,85.025 89.925,83.975 89.925,71.9 95.3,66.525 113.24,66.525 K1.1
NetK2_1: K2.1 VD3.2 VT2.2 | length 22.9
  Top Layer w1: VD3.2 81.775,75.9 VT2.2 85.975,73.7 K2.1
NetK3_A2: K3.A2 VD5.2 VT3.2 | length 29.5
  Top Layer w0.8: VD5.2 81.775,64.575 VT3.2
  Bottom Layer w1: VD5.2 85.525,72.725 96.95,72.725 K3.A2
NetPS1_2: PS1.2 R1.1 SB3.1 | length 45
  Top Layer w0.5: 56.275,5.525 56.3,5.55
  Top Layer w2: SB3.1@42.25,5.525 56.275,5.525 72.653,5.525 73.825,6.697 PS1.2 ; 56.3,5.55 R1.1
NetPS2_1: PS2.1 R3.1 | length 9.3
  Top Layer w1: R3.1 54.475,96.575 55.4,97.5 PS2.1
NetR5_2: R5.2 R6.1 VT1.1 | length 5.9
  Top Layer w0.5: R6.1 R5.2
  Top Layer w0.7: R5.2 VT1.1
NetR8_2: R8.2 R9.1 VT2.1 | length 5.9
  Top Layer w0.5: R8.2 77.3,74.575 77.3,71.2 R9.1
  Top Layer w0.7: R8.2 VT2.1
NetR12_2: R12.2 R13.1 VT3.1 | length 5.9
  Top Layer w0.5: R13.1@77.275,59.9 R12.2
  Top Layer w0.7: R12.2 VT3.1
REL_INP: A1.5 VD1.1 | length 14.4
  Bottom Layer w0.5: A1.5 41.974,70.88 41.974,73.124 43.35,74.5 51.05,74.5 VD1.1@52.525,75.975
SCL: A1.24 J12.1 J13.4 J14.4 | length 53.7
  Bottom Layer w0.5: J14.4 35.575,32.825 36.275,32.125 50.875,32.125 51.475,32.725 51.475,49.12 J12.1 51.53,51.12 49.875,52.775 37.975,52.775 36.704,54.046 36.704,55.295 A1.24
SDA: A1.23 J12.2 J13.3 J14.3 | length 51.7
  Bottom Layer w0.5: J14.3 33.075,36.625 34.7,38.25 48.983,38.25 ; A1.23 34.087,53.938 36.375,51.65 47.975,51.65 48.962,50.663 48.962,49.203 J12.2 48.983,49.167 48.983,38.25 ; 48.975,35.6 48.983,35.608 48.983,38.25
SVET: A1.11 J7.3 VD4.1 | length 52.7
  Top Layer w0.5: A1.11 30.604,66.475 VD4.1
  Bottom Layer w0.5: A1.11 26.471,70.617 26.471,90.421 J7.3
TERM_DATA: A1.6 J6.3 R14.1 | length 17.2
  Top Layer w0.5: J6.3 43.028,79.226 48.574,79.226 R14.1
  Bottom Layer w0.5: A1.6 39.167,77.892 40.502,79.227 J6.3
VCC_5V: A1.27 C1.2 C2.1 J6.1 J7.1 J8.1 J9.1 J10.1 J11.1 J12.3 J13.2 J14.2 J15.1 J16.1 PS1.4 R2.1 R2.2 R3.2 R4.2 R7.2 R11.2 R14.2 | length 243.1
  Top Layer w1: J15.1 6.6,41.25 6.575,41.275 ; J16.1 29.2,37.8 30.575,36.425 J14.2 30.575,32.275 ; J9.1@31.475,84.25 31.525,84.2 ; J7.1 33.575,88.325 33.575,84.2 ; A1.27@44.217,55.342 44.419,55.14 44.419,53.039 45.208,52.25 46.45,52.25 ; J12.3 46.45,52.25 ; 46.47,35.605 J12.3@46.47,49.155 ; 46.475,35.6 J13.2 46.475,33.525 45.225,32.275 30.575,32.275 ; R14.2 48.575,84.15 48.625,84.2 ; R3.2@54.471,92.071 54.471,89.325 ; R2.1 46.45,52.25 ; R4.2@56.9,89.375 54.521,89.375 54.471,89.325 ; R7.2 54.471,85.2 ; R2.2@57.725,52.3 59.375,52.3 ; R11.2 59.35,52.325 59.375,52.3 ; C1.2@67.875,53.55 61.644,53.55 61.494,53.4 61.475,53.4 60.375,52.3 59.375,52.3 ; C1.2@67.925,53.55 76.5,53.55 79.831,50.219 PS1.4@79.831,44.375 ; 6.575,41.275 6.575,80.65 10.125,84.2 31.525,84.2 ; 6.575,41.275 6.575,36.775 11.075,32.275 30.575,32.275 ; 31.525,84.2 33.575,84.2 ; 33.575,84.2 48.625,84.2 ; 48.625,84.2 53.471,84.2 54.471,85.2 ; 54.471,85.2 54.471,89.325
VCC_5V_ISO: DA1.4 DA2.4 DA3.4 K1.8 K2.8 K3.A1 PS2.6 VD2.1 VD3.1 VD5.1 | length 165.9
  Top Layer w1: DA1.4 VD2.1 74.575,96.882 74.255,97.202 PS2.6 ; K3.A1 92.011,87.8 91.425,87.214 v2(91.425,84.65) v2(91.425,83.15) v2(91.425,81.65) v2(91.425,80.15) 91.425,72.65 95.975,68.1 118.4,68.1 ; K2.8@103.184,64.091 103.184,62.294 103.653,61.825 117.931,61.825 118.4,62.294 118.4,68.1 ; K1.8 123.149,64.216 123.149,65.676 120.725,68.1 118.4,68.1
  Bottom Layer w1: DA3.4 VD5.1 ; DA2.4 72.476,78.1 ; DA1.4 71.875,89.425 72.476,88.824 72.476,78.1 ; 72.476,66.824 72.476,78.1 ; VD3.1@74.899,77.776 VD3.1 ; K3.A1 92.011,87.8 91.425,87.214 v2(91.425,84.65) v2(91.425,83.15) v2(91.425,81.65) v2(91.425,80.15) 91.425,76.311 90.839,75.725 76,75.725 74.575,77.15 VD3.1 ; 72.476,78.1 VD3.1
  other v2: 91.414,78.651
pads on no net: A1.1 A1.2 A1.3 A1.14 A1.15 A1.16 A1.17 A1.18 A1.28 A1.30 J1.2 J6.2 J7.2 J8.2 J9.2 J10.2 J11.2 J15.2 J16.2 K1.2 K1.7 K2.2 K2.7 K3.NC

## Polygon pours and split planes (outlines as drawn)
GND on Top Layer "NONET_L02_P-001" (solid, remove dead copper, pour order 2): 80.325,30.4 80.325,54.05 64.65,54.05 64.65,100 0,100 0,30.4 58.025,30.4
GND_ISO on Top Layer "NONET_L02_P-001" (solid, remove dead copper, pour order 0): 83.925,100.003 83.925,58.125 68.729,58.125 68.729,100.003
GND on Bottom Layer "NONET_L02_P-001" (solid, remove dead copper, pour order 3): 80.325,30.4 80.325,54.05 64.65,54.05 64.65,100.05 0,100.05 0,30.4 58.025,30.4
GND_ISO on Bottom Layer "NONET_L02_P-001" (solid, pour order 4): 83.925,99.997 83.925,58.125 68.725,58.125 68.725,99.997

## Other copper
Multi-Layer:
  pour cut-out: 80.45,50.3 80.775,50.625 80.775,54.225 76.525,54.225

## Silkscreen, mask and mechanical layers (free items; w line width, h text height)
Top Overlay:
  drawing of 9 lines, arcs and shapes, not listed
  text "GreenHouse Controller v.3" at 85.375,93.25 h2
  text "+12V" at 142.437,81.052 h1
  text "+LED" at 142.462,75.977 h1
  text "-LED" at 142.312,68.627 h1
  text "-12V" at 142.287,63.527 h1
  text "IN" at 99.804,4.579 h1
  text "IN" at 116.879,4.579 h1
  text "OUT" at 122.029,4.579 h1
  text "OUT" at 93.879,4.454 h1
Mechanical 1:
  lines w0.254: -0.025,-0.025 149.975,-0.025 149.975,99.975 -0.025,99.975 -0.025,-0.025

## Text inside footprints (layer, text, board x,y; h text height)
C1: Top Overlay "+" at 68.7,53.65 h3 r270; Top Assembly "+" at 68.425,54.75 h3 r270
C3: Top Overlay "+" at 122.1,78.825 h3 r270; Top Assembly "+" at 121.5,77.225 h3 r270
VD1: Top Overlay "+" at 60.1,77.875 h1.52 r180; Top Assembly "+" at 59.525,75.275 h1.52 r180
VD2: Top Overlay "+" at 81.7,88.7 h1.52 r180; Top Assembly "+" at 81.575,88.825 h1.52 r180
VD3: Top Overlay "+" at 81.65,77.4 h1.52 r180; Top Assembly "+" at 81.575,77.5 h1.52 r180
VD4: Top Overlay "+" at 58.375,73.6 h1.52 r270; Top Assembly "+" at 58.275,73.475 h1.52 r270
VD5: Top Overlay "+" at 81.95,66.175 h1.52 r180; Top Assembly "+" at 81.575,66.175 h1.52 r180